# Altium PCB Copy of GameBoard_V1I1_083018.PcbDoc (part 2 of 21)
Units mil, origin at the board's own origin, x right, y up, seen from the top; angles counter-clockwise.
Board outline 7165.35 x 2763.78 mil, 12 copper layers (L1, L2, L3, L4, L5 (PWR), L6 (PWR), L7 (PWR), L8 (PWR), L9, L10, L11, L12), stack 61.575 mil thick; 1542 components, 1068 nets, 5447 pads, 3797 vias.
Unrouted connection lines stored in the file: 105.
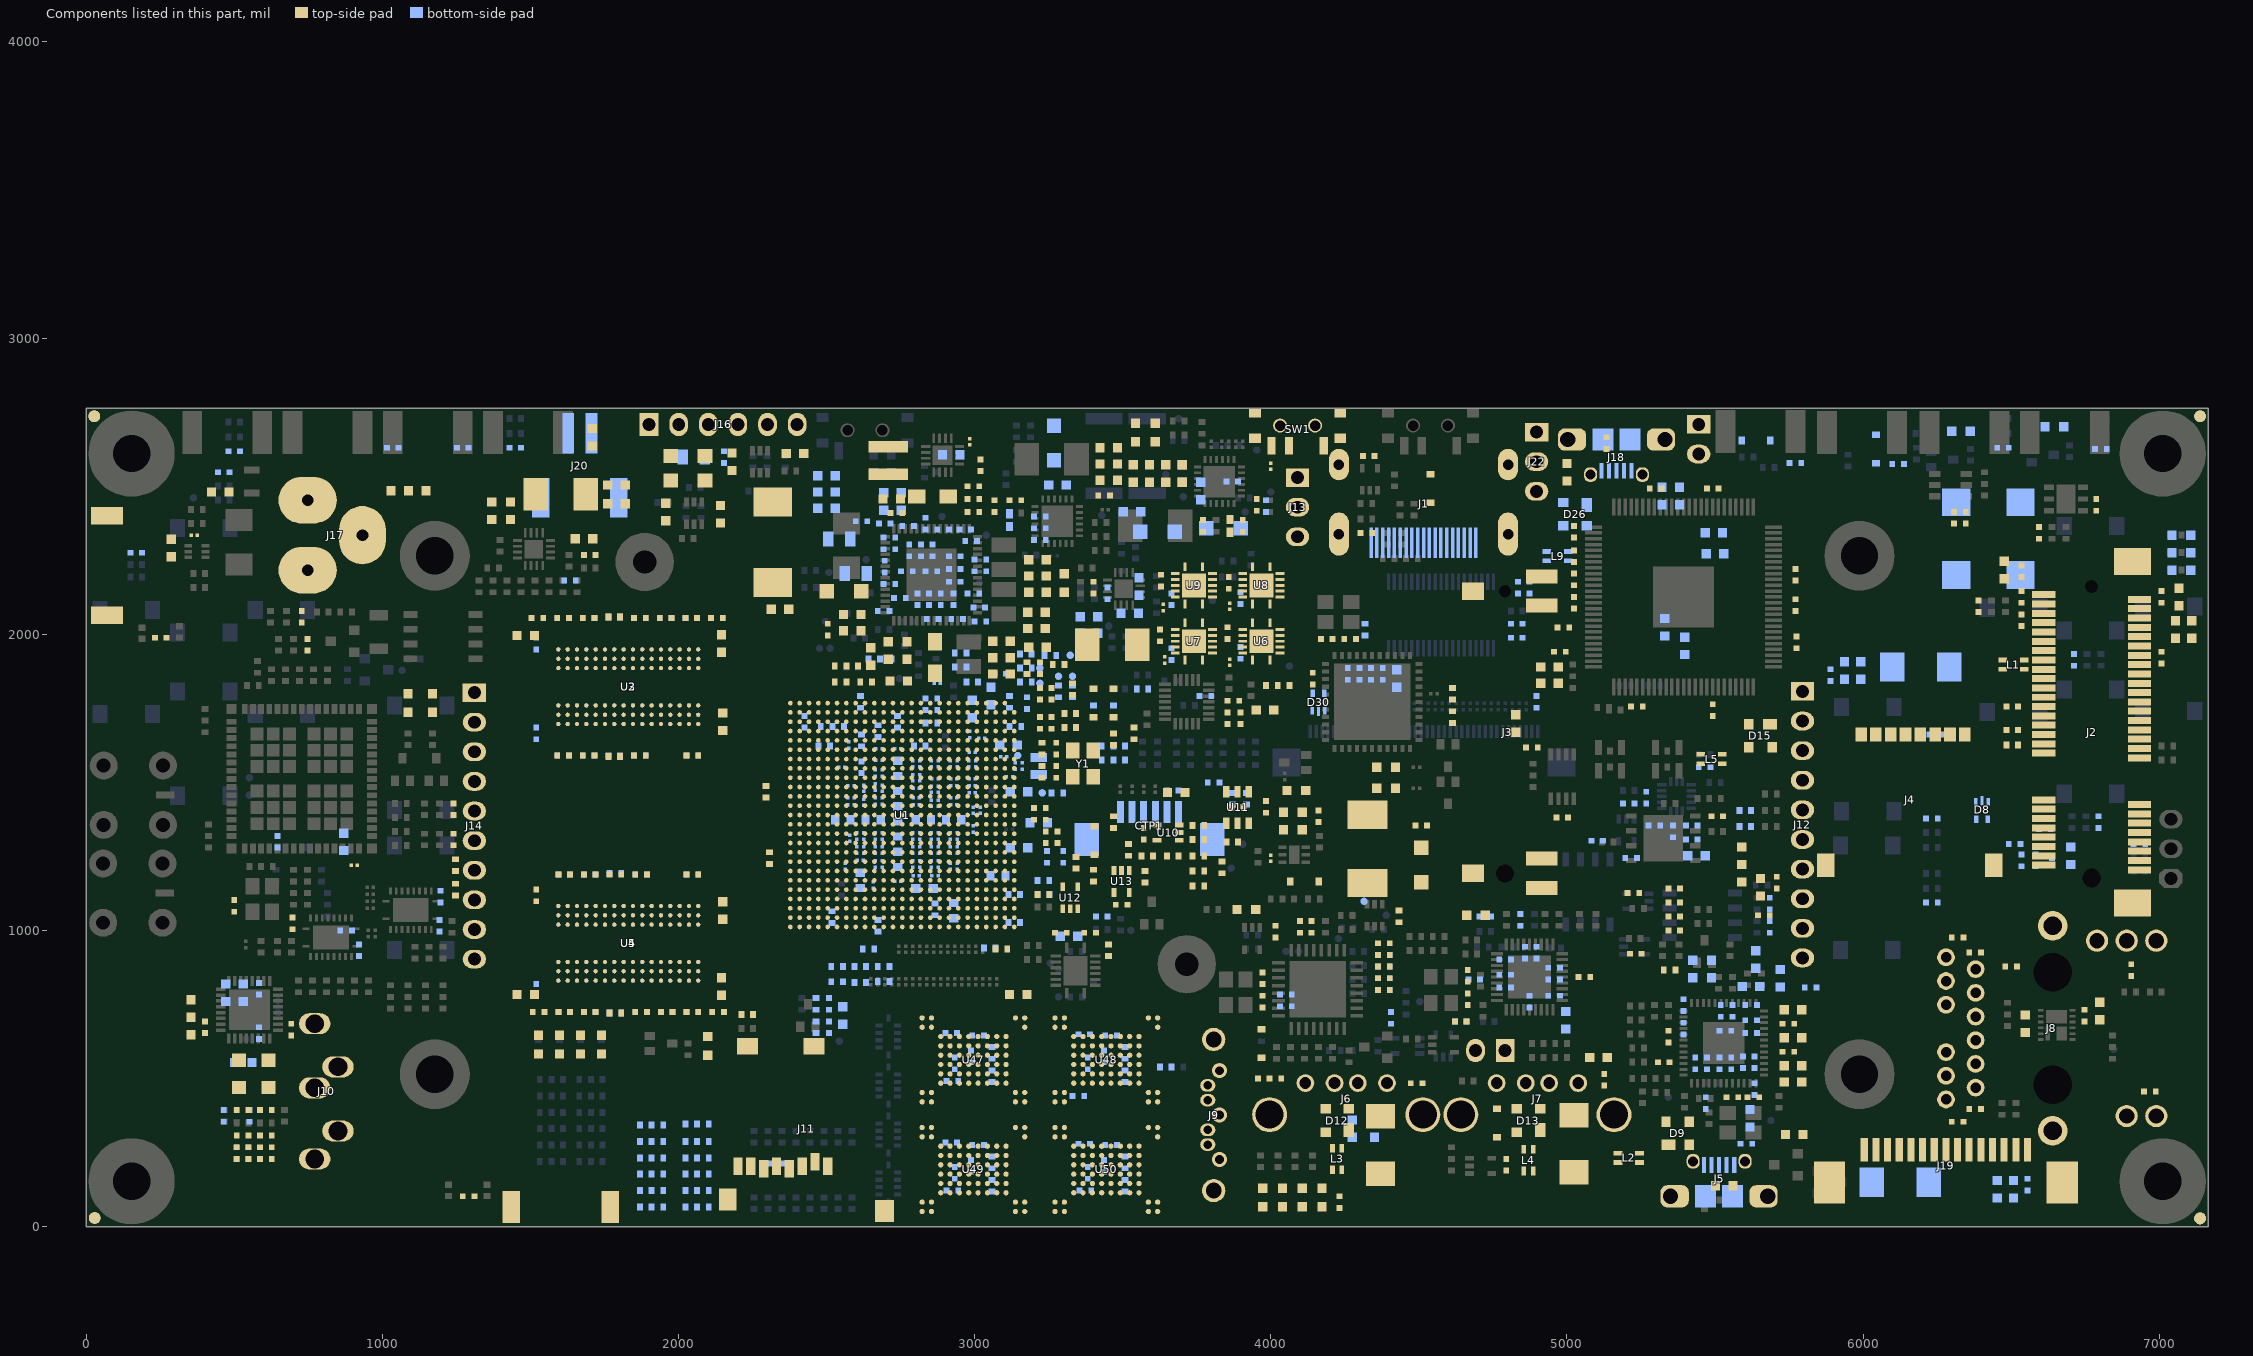
[diagram p12: the components of this part, seen from the top]

## Classes and differential pairs (continued)
component class "[11] - CPU - JTAG, CONTROL": C94 C95 C96 C97 C98 C99 C100 C101 C102 D1 D2 D3 LINK1 R66 R67 R68 R69 R70 R71 R72 R73 R74 R75 R76 R77 R78 R79 R80 R81 R82 R84 R85 R86 R87 R88 R89 R90 R91 R92 R93 R94 R95 R96 R97 R98 R99 R100 R101 R102 R103 R104 R105 R106 R107 R108 R109 R110 R111 R112 TP3 TP4 TP5 TP6 TP7 TP8 U1 U10 U11 U12 U13 Y1 Y2
component class "[10] - CPU - GPIO, PWM, LEDS, BUTTONS": R46 R47 R48 R49 R50 R51 TP2
component class "[08] - CPU - SPI, UART": R42 R44 R45
component class "[07] - CPU - CSI, FLASH": C499 C500 C501 C502 C503 C504 C505 C506 C507 C508 C509 C510 C511 C512 C513 C514 C515 C516 C517 C518 FB49 R497 R498 R499 R500 R501 R502 R503 R504 R505 U47 U48 U49 U50
component class "[09] - CPU - SD, AUDIO, I2C, CAN": R52 R53 R54 R55 R56 R57 R58 R59 R60 R61 R62 R63 R64 R65 R591 R592 R593 R594 R595 R596 R597 R598 R599 R600 R601 R602 R603 R604 R605 R606 R607 R608 R609 R610 R611 R612 R613 R614 R620 R621
component class "[05] - CPU - HDMI, LVDS": C72 C73 C74 C75 C76 C77 C78 C79 C80 C81 C82 C83 C84 C85 C86 R20 R21 R22 R23 R24 R25 R26 R27 R28 R29 R30 R31 R32 R33 R34 R35 R36 R587 SW1 U6 U7 U8 U9
component class "[04] - CPU - PCIE, USB": C59 C60 C61 C62 C63 C64 C65 C66 C67 C68 C69 C70 C71 FB1 R12 R13 R14 R15 R16 R17 R18 R19 R581 R590 R625 R626 R674 TP1
component class "[03] - CPU - DDR3, DDR3 MEM": C1 C2 C3 C4 C5 C6 C7 C8 C9 C10 C11 C12 C13 C14 C15 C16 C17 C18 C19 C20 C21 C22 C23 C24 C25 C26 C27 C28 C29 C30 C31 C32 C33 C34 C35 C36 C37 C38 C39 C40 C41 C42 C43 C44 C45 C46 C47 C48 C49 C50 C51 C52 C53 C54 C55 C56 C57 C58 R1 R2 R3 R4 R5 R6 R7 R8 R9 R10 R11 U2 U3 U4 U5
net class MCU_LCD_SE: ACTIVE QB0 QB1 QB2 QB3 QB4 QB5 QB6 QB7 QDE QE0 QE1 QE2 QE3 QE4 QE5 QE6 QE7 QHSYNC QODCK QR0 QR1 QR2 QR3 QR4 QR5 QR6 QR7 QVSYNC
net class BUTTONS: BUMP_L1 BUMP_L2 BUMP_R1 BUMP_R2 MOV_LD MOV_LL MOV_LR MOV_LU MOV_RD MOV_RL MOV_RR MOV_RU SEL_L1 SEL_L2 SEL_R1 SEL_R2 USER_BTN_1 USER_BTN_2 USER_BTN_3
net class USER_LEDS: USER_LED_1 USER_LED_2 USER_LED_3 USER_LED_4 USER_LED_5 USER_LED_6 USER_LED_7 USER_LED_8
net class USB1: USB1_HUB_N USB1_HUB_P USB1_N USB1_P USB_BOT_L_N USB_BOT_L_P USB_BOT_N USB_BOT_P USB_H1_OC USB_HDR_L_N USB_HDR_L_P USB_MCU_N USB_MCU_P USB_MCU_R_N USB_MCU_R_P USB_MPCIE_L_N USB_MPCIE_L_P USB_MPCIE_N USB_MPCIE_OC USB_MPCIE_P USB_TOP_L_N USB_TOP_L_P USB_TOP_N USB_TOP_P USBDN1_N USBDN1_OC USBDN1_P USBDN1_PWR_EN USBDN2_N USBDN2_OC USBDN2_P USBDN2_PWR_EN USBDN3_N USBDN3_OC USBDN3_P USBDN4_N USBDN4_P
net class USB0: USB0_CHD USB0_ID USB0_ID_BUFF_EN USB0_N USB0_OTG_L_N USB0_OTG_L_P USB0_OTG_N USB0_OTG_P USB0_P USB_OC
net class UART5: UART5_CTS UART5_RTS UART5_RXD UART5_TXD
net class UART3: UART3_CTS UART3_RTS UART3_RXD UART3_TXD
net class UART2: UART2_RXD UART2_TXD
net class UART1: UART1_CTS UART1_CTS_FTDI UART1_RTS UART1_RTS_FTDI UART1_RXD UART1_RXD_FTDI UART1_TXD UART1_TXD_FTDI
net class TS: TS_X+ TS_X- TS_Y+ TS_Y-
net class SIM: +MPCIE_SIM_PWR +MPCIE_SIM_VPP MPCIE_SIM_C4 MPCIE_SIM_C4_R MPCIE_SIM_C8 MPCIE_SIM_C8_R MPCIE_SIM_CLK MPCIE_SIM_DATA MPCIE_SIM_RST
net class SD2: SD2_ACT SD2_CD SD2_CLK SD2_CLK_R SD2_CMD SD2_CMD_R SD2_DATA0 SD2_DATA1 SD2_DATA2 SD2_DATA3 SD2_WP
net class SATA: SATA_C_RX_N SATA_C_RX_P SATA_C_TX_N SATA_C_TX_P SATA_REXT SATA_RX_N SATA_RX_P SATA_TX_N SATA_TX_P
net class RGMII_TXD: RGMII_R_TXCLK RGMII_TXCLK RGMII_TXD0 RGMII_TXD1 RGMII_TXD2 RGMII_TXD3 RGMII_TXEN
net class RGMII_RXD: RGMII_R_RXCLK RGMII_RXCLK RGMII_RXD0 RGMII_RXD1 RGMII_RXD2 RGMII_RXD3 RGMII_RXDV
net class RGMII_MISC: ENET_REF_CLK ENET_REF_CLK_R ETH_ISET RGMII_INT RGMII_INT_R RGMII_MDC RGMII_MDIO RGMII_R_MDC RGMII_R_MDIO
net class PWM: BL_PWM CHARGE_C\E\ CHARGE_INT VPP/MCLR
net class PCIE: PCIE_C_TX_N PCIE_C_TX_P PCIE_CLK_C_N PCIE_CLK_C_P PCIE_CLK_N PCIE_CLK_P PCIE_RSTn_R PCIE_RSTn_R_CPU PCIE_RX_N PCIE_RX_P PCIE_TX_N PCIE_TX_P PCIE_WAKE PCIE_WDISn
net class MIPI_CSI: CSI_CLK0_N CSI_CLK0_P CSI_D0_N CSI_D0_P CSI_D1_N CSI_D1_P CSI_GPIO0 CSI_GPIO1 CSI_REXT
net class LVDS: LVDS0_CLK_N LVDS0_CLK_P LVDS0_TX0_N LVDS0_TX0_P LVDS0_TX1_N LVDS0_TX1_P LVDS0_TX2_N LVDS0_TX2_P LVDS0_TX3_N LVDS0_TX3_P
net class LCD_SE: LCD_B0 LCD_B1 LCD_B2 LCD_B3 LCD_B4 LCD_B5 LCD_B6 LCD_B7 LCD_DE LCD_G0 LCD_G1 LCD_G2 LCD_G3 LCD_G4 LCD_G5 LCD_G6 LCD_G7 LCD_HSYNC LCD_PCLK LCD_R0 LCD_R1 LCD_R2 LCD_R3 LCD_R4 LCD_R5 LCD_R6 LCD_R7 LCD_VSYNC
net class LCD_R[7..0]: LCD_R0 LCD_R1 LCD_R2 LCD_R3 LCD_R4 LCD_R5 LCD_R6 LCD_R7
net class LCD_G[7..0]: LCD_G0 LCD_G1 LCD_G2 LCD_G3 LCD_G4 LCD_G5 LCD_G6 LCD_G7
net class LCD_B[7..0]: LCD_B0 LCD_B1 LCD_B2 LCD_B3 LCD_B4 LCD_B5 LCD_B6 LCD_B7
net class JTAG: JTAG_MOD JTAG_nTRST JTAG_TCK JTAG_TCK_R JTAG_TDI JTAG_TDI_R JTAG_TDO JTAG_TDO_R JTAG_TMS
net class I2C3: I2C3_SCL I2C3_SDA
net class I2C2: I2C2_SCL I2C2_SDA
net class I2C1: I2C1_SCL I2C1_SDA
net class HDMI: HDMI_CEC HDMI_CEC_CON HDMI_CEC_IN HDMI_DDC HDMI_HPD HDMI_HPD_BUFF HDMI_HPD_CON HDMI_HPD_R HDMI_SCL_CON HDMI_SCL_CON_R HDMI_SDA_CON HDMI_SDA_CON_R MX6_HDMI_CLK_N MX6_HDMI_CLK_P MX6_HDMI_D0_N MX6_HDMI_D0_P MX6_HDMI_D1_N MX6_HDMI_D1_P MX6_HDMI_D2_N MX6_HDMI_D2_P
net class GPIO: CPU_GPIO0 CPU_GPIO1 CPU_GPIO2
net class GPIO_MISC: COMP_INT GYRO_INT IR_RCV MCU_ISPn MCU_RSTINn MCU_SWDIO MCU_SWDIO_SEL TEMP_ALERT USER_LED
net class FLEXCAN: CAN_N CAN_P FLEXCAN1_RX FLEXCAN1_STBY FLEXCAN1_TX SPLIT_R
net class ENET: ENET_LED_LINK ENET_LED_RX LED1 LED2 TRD0_N TRD0_P TRD1_N TRD1_P TRD2_N TRD2_P TRD3_N TRD3_P
net class DRAM_SDCLK: DRAM_CLK0_N DRAM_CLK0_P DRAM_CLK1_N DRAM_CLK1_P
net class DRAM_OTHERS: ZQPAD
net class DRAM_D[63..0]: DRAM_D0 DRAM_D1 DRAM_D2 DRAM_D3 DRAM_D4 DRAM_D5 DRAM_D6 DRAM_D7 DRAM_D8 DRAM_D9 DRAM_D10 DRAM_D11 DRAM_D12 DRAM_D13 DRAM_D14 DRAM_D15 DRAM_D16 DRAM_D17 DRAM_D18 DRAM_D19 DRAM_D20 DRAM_D21 DRAM_D22 DRAM_D23 DRAM_D24 DRAM_D25 DRAM_D26 DRAM_D27 DRAM_D28 DRAM_D29 DRAM_D30 DRAM_D31 DRAM_D32 DRAM_D33 DRAM_D34 DRAM_D35 DRAM_D36 DRAM_D37 DRAM_D38 DRAM_D39 DRAM_D40 DRAM_D41 DRAM_D42 DRAM_D43 DRAM_D44 DRAM_D45 DRAM_D46 DRAM_D47 DRAM_D48 DRAM_D49 DRAM_D50 DRAM_D51 DRAM_D52 DRAM_D53 DRAM_D54 DRAM_D55 DRAM_D56 DRAM_D57 DRAM_D58 DRAM_D59 DRAM_D60 DRAM_D61 DRAM_D62 DRAM_D63
net class DRAM_BANK7: DRAM_D56 DRAM_D57 DRAM_D58 DRAM_D59 DRAM_D60 DRAM_D61 DRAM_D62 DRAM_D63 DRAM_DQM7 DRAM_DQS7_N DRAM_DQS7_P
net class DRAM_BANK6: DRAM_D48 DRAM_D49 DRAM_D50 DRAM_D51 DRAM_D52 DRAM_D53 DRAM_D54 DRAM_D55 DRAM_DQM6 DRAM_DQS6_N DRAM_DQS6_P
net class DRAM_BANK5: DRAM_D40 DRAM_D41 DRAM_D42 DRAM_D43 DRAM_D44 DRAM_D45 DRAM_D46 DRAM_D47 DRAM_DQM5 DRAM_DQS5_N DRAM_DQS5_P
net class DRAM_BANK4: DRAM_D32 DRAM_D33 DRAM_D34 DRAM_D35 DRAM_D36 DRAM_D37 DRAM_D38 DRAM_D39 DRAM_DQM4 DRAM_DQS4_N DRAM_DQS4_P
net class DRAM_BANK3: DRAM_D24 DRAM_D25 DRAM_D26 DRAM_D27 DRAM_D28 DRAM_D29 DRAM_D30 DRAM_D31 DRAM_DQM3 DRAM_DQS3_N DRAM_DQS3_P
net class DRAM_BANK2: DRAM_D16 DRAM_D17 DRAM_D18 DRAM_D19 DRAM_D20 DRAM_D21 DRAM_D22 DRAM_D23 DRAM_DQM2 DRAM_DQS2_N DRAM_DQS2_P
net class DRAM_BANK1: DRAM_D8 DRAM_D9 DRAM_D10 DRAM_D11 DRAM_D12 DRAM_D13 DRAM_D14 DRAM_D15 DRAM_DQM1 DRAM_DQS1_N DRAM_DQS1_P
net class DRAM_BANK0: DRAM_D0 DRAM_D1 DRAM_D2 DRAM_D3 DRAM_D4 DRAM_D5 DRAM_D6 DRAM_D7 DRAM_DQM0 DRAM_DQS0_N DRAM_DQS0_P
net class DRAM_ADDR_CTRL: DRAM_A0 DRAM_A1 DRAM_A2 DRAM_A3 DRAM_A4 DRAM_A5 DRAM_A6 DRAM_A7 DRAM_A8 DRAM_A9 DRAM_A10 DRAM_A11 DRAM_A12 DRAM_A13 DRAM_A14 DRAM_A15 DRAM_CAS_B DRAM_CS0_B DRAM_RAS_B DRAM_RESET_B DRAM_SDBA0 DRAM_SDBA1 DRAM_SDBA2 DRAM_SDCKE0 DRAM_SDODT0 DRAM_WE_B
net class DRAM_A[15..0]: DRAM_A0 DRAM_A1 DRAM_A2 DRAM_A3 DRAM_A4 DRAM_A5 DRAM_A6 DRAM_A7 DRAM_A8 DRAM_A9 DRAM_A10 DRAM_A11 DRAM_A12 DRAM_A13 DRAM_A14 DRAM_A15
net class DIFF100: CAN_N CAN_P CSI_CLK0_N CSI_CLK0_P CSI_CLK0_R_N CSI_CLK0_R_P CSI_D0_N CSI_D0_P CSI_D0_R_N CSI_D0_R_P CSI_D1_N CSI_D1_P CSI_D1_R_N CSI_D1_R_P DRAM_CLK0_N DRAM_CLK0_P DRAM_CLK1_N DRAM_CLK1_P DRAM_DQS0_N DRAM_DQS0_P DRAM_DQS1_N DRAM_DQS1_P DRAM_DQS2_N DRAM_DQS2_P DRAM_DQS3_N DRAM_DQS3_P DRAM_DQS4_N DRAM_DQS4_P DRAM_DQS5_N DRAM_DQS5_P DRAM_DQS6_N DRAM_DQS6_P DRAM_DQS7_N DRAM_DQS7_P HDMI_CLK_N HDMI_CLK_P HDMI_D0_N HDMI_D0_P HDMI_D1_N HDMI_D1_P HDMI_D2_N HDMI_D2_P LCD_HDMI_CLK_N LCD_HDMI_CLK_P LCD_HDMI_D0_N LCD_HDMI_D0_P LCD_HDMI_D1_N LCD_HDMI_D1_P LCD_HDMI_D2_N LCD_HDMI_D2_P LVDS0_CLK_N LVDS0_CLK_P LVDS0_CLK_R_N LVDS0_CLK_R_P LVDS0_TX0_N LVDS0_TX0_P LVDS0_TX1_N LVDS0_TX1_P LVDS0_TX2_N LVDS0_TX2_P LVDS0_TX3_N LVDS0_TX3_P MX6_HDMI_CLK_N MX6_HDMI_CLK_P MX6_HDMI_D0_N MX6_HDMI_D0_P MX6_HDMI_D1_N MX6_HDMI_D1_P MX6_HDMI_D2_N MX6_HDMI_D2_P PCIE_CLK_C_N PCIE_CLK_C_P PCIE_CLK_N PCIE_CLK_P SATA_C_RX_N SATA_C_RX_P SATA_C_TX_N SATA_C_TX_P SATA_RX_N SATA_RX_P SATA_TX_N SATA_TX_P TRD0_N TRD0_P TRD1_N TRD1_P TRD2_N TRD2_P TRD3_N TRD3_P
net class DIFF90: PCIE_C_TX_N PCIE_C_TX_P PCIE_RX_N PCIE_RX_P PCIE_TX_N PCIE_TX_P USB0_N USB0_OTG_L_N USB0_OTG_L_P USB0_OTG_N USB0_OTG_P USB0_P USB1_HUB_N USB1_HUB_P USB1_N USB1_P USB_BOT_L_N USB_BOT_L_P USB_BOT_N USB_BOT_P USB_HDR_L_N USB_HDR_L_P USB_HDR_N USB_HDR_P USB_LCDCTP_N USB_LCDCTP_P USB_MCU_N USB_MCU_P USB_MCU_R_N USB_MCU_R_P USB_MPCIE_L_N USB_MPCIE_L_P USB_MPCIE_N USB_MPCIE_P USB_TOP_L_N USB_TOP_L_P USB_TOP_N USB_TOP_P USBCh_OTG_L_N USBCh_OTG_L_P USBCh_OTG_N USBCh_OTG_P USBDN1_N USBDN1_P USBDN2_N USBDN2_P USBDN3_N USBDN3_P USBDN4_N USBDN4_P
net class CSPI3: CSPI3_CLK CSPI3_CLK_R CSPI3_CS0 CSPI3_CS2 CSPI3_MCU_CLK CSPI3_MCU_CS0 CSPI3_MCU_ENn CSPI3_MCU_MISO CSPI3_MCU_MOSI CSPI3_MISO CSPI3_MOSI
net class CSPI2: CSPI2_RXD CSPI2_TXC CSPI2_TXD CSPI2_TXFS
net class CSPI1: CSPI1_CLK CSPI1_CLK_R CSPI1_CS0 CSPI1_CS1 CSPI1_MISO CSPI1_MOSI
net class "CSI / LVDS": CSI_CLK0_R_N CSI_CLK0_R_P CSI_D0_R_N CSI_D0_R_P CSI_D1_R_N CSI_D1_R_P I2C2_CSI_SCL I2C2_CSI_SDA LVDS0_CLK_R_N LVDS0_CLK_R_P
net class AUD3: AUD3_CLK AUD3_CLK_R AUD3_RXD AUD3_TXC AUD3_TXC_R AUD3_TXD AUD3_TXFS
net class USBCh: USBCh_OTG_L_N USBCh_OTG_L_P
differential pair USBDN4: +USBDN4_P -USBDN4_N
differential pair USBDN3: +USBDN3_P -USBDN3_N
differential pair USBDN2: +USBDN2_P -USBDN2_N
differential pair USBDN1: +USBDN1_P -USBDN1_N
differential pair USB_TOP: +USB_TOP_P -USB_TOP_N
differential pair USB_TOP_L: +USB_TOP_L_P -USB_TOP_L_N
differential pair USB_MPCIE: +USB_MPCIE_P -USB_MPCIE_N
differential pair USB_MPCIE_L: +USB_MPCIE_L_P -USB_MPCIE_L_N
differential pair USB_MCU: +USB_MCU_P -USB_MCU_N
differential pair USB_MCU_R: +USB_MCU_R_P -USB_MCU_R_N
differential pair USB_LCDCTP: +USB_LCDCTP_P -USB_LCDCTP_N
differential pair USB_HDR: +USB_HDR_P -USB_HDR_N
differential pair USB_HDR_L: +USB_HDR_L_P -USB_HDR_L_N
differential pair USB_BOT: +USB_BOT_P -USB_BOT_N
differential pair USB_BOT_L: +USB_BOT_L_P -USB_BOT_L_N
differential pair USB1: +USB1_P -USB1_N
differential pair USB1_HUB: +USB1_HUB_P -USB1_HUB_N
differential pair USB0: +USB0_P -USB0_N
differential pair USB0_OTG: +USB0_OTG_P -USB0_OTG_N
differential pair USB0_OTG_L: +USB0_OTG_L_P -USB0_OTG_L_N
differential pair TRD3: +TRD3_P -TRD3_N
differential pair TRD2: +TRD2_P -TRD2_N
differential pair TRD1: +TRD1_P -TRD1_N
differential pair TRD0: +TRD0_P -TRD0_N
differential pair SATA_TX: +SATA_TX_P -SATA_TX_N
differential pair SATA_RX: +SATA_RX_P -SATA_RX_N
differential pair SATA_C_TX: +SATA_C_TX_P -SATA_C_TX_N
differential pair SATA_C_RX: +SATA_C_RX_P -SATA_C_RX_N
differential pair PCIE_TX: +PCIE_TX_P -PCIE_TX_N
differential pair PCIE_RX: +PCIE_RX_P -PCIE_RX_N
differential pair PCIE_CLK: +PCIE_CLK_P -PCIE_CLK_N
differential pair PCIE_CLK_C: +PCIE_CLK_C_P -PCIE_CLK_C_N
differential pair PCIE_C_TX: +PCIE_C_TX_P -PCIE_C_TX_N
differential pair MX6_HDMI_D2: +MX6_HDMI_D2_P -MX6_HDMI_D2_N
differential pair MX6_HDMI_D1: +MX6_HDMI_D1_P -MX6_HDMI_D1_N
differential pair MX6_HDMI_D0: +MX6_HDMI_D0_P -MX6_HDMI_D0_N
differential pair MX6_HDMI_CLK: +MX6_HDMI_CLK_P -MX6_HDMI_CLK_N
differential pair LVDS0_TX3: +LVDS0_TX3_P -LVDS0_TX3_N
differential pair LVDS0_TX2: +LVDS0_TX2_P -LVDS0_TX2_N
differential pair LVDS0_TX1: +LVDS0_TX1_P -LVDS0_TX1_N
differential pair LVDS0_TX0: +LVDS0_TX0_P -LVDS0_TX0_N
differential pair LVDS0_CLK: +LVDS0_CLK_P -LVDS0_CLK_N
differential pair LVDS0_CLK_R: +LVDS0_CLK_R_P -LVDS0_CLK_R_N
differential pair LCD_HDMI_D2: +LCD_HDMI_D2_P -LCD_HDMI_D2_N
differential pair LCD_HDMI_D1: +LCD_HDMI_D1_P -LCD_HDMI_D1_N
differential pair LCD_HDMI_D0: +LCD_HDMI_D0_P -LCD_HDMI_D0_N
differential pair LCD_HDMI_CLK: +LCD_HDMI_CLK_P -LCD_HDMI_CLK_N
differential pair HDMI_D2: +HDMI_D2_P -HDMI_D2_N
differential pair HDMI_D1: +HDMI_D1_P -HDMI_D1_N
differential pair HDMI_D0: +HDMI_D0_P -HDMI_D0_N
differential pair HDMI_CLK: +HDMI_CLK_P -HDMI_CLK_N
differential pair DRAM_DQS7: +DRAM_DQS7_P -DRAM_DQS7_N
differential pair DRAM_DQS6: +DRAM_DQS6_P -DRAM_DQS6_N
differential pair DRAM_DQS5: +DRAM_DQS5_P -DRAM_DQS5_N
differential pair DRAM_DQS4: +DRAM_DQS4_P -DRAM_DQS4_N
differential pair DRAM_DQS3: +DRAM_DQS3_P -DRAM_DQS3_N
differential pair DRAM_DQS2: +DRAM_DQS2_P -DRAM_DQS2_N
differential pair DRAM_DQS1: +DRAM_DQS1_P -DRAM_DQS1_N
differential pair DRAM_DQS0: +DRAM_DQS0_P -DRAM_DQS0_N
differential pair DRAM_CLK1: +DRAM_CLK1_P -DRAM_CLK1_N
differential pair DRAM_CLK0: +DRAM_CLK0_P -DRAM_CLK0_N
differential pair CSI_D1: +CSI_D1_P -CSI_D1_N
differential pair CSI_D1_R: +CSI_D1_R_P -CSI_D1_R_N
differential pair CSI_D0: +CSI_D0_P -CSI_D0_N
differential pair CSI_D0_R: +CSI_D0_R_P -CSI_D0_R_N
differential pair CSI_CLK0: +CSI_CLK0_P -CSI_CLK0_N
differential pair CSI_CLK0_R: +CSI_CLK0_R_P -CSI_CLK0_R_N
differential pair CAN: +CAN_P -CAN_N
differential pair USBCh_OTG_L: +USBCh_OTG_L_P -USBCh_OTG_L_N
differential pair USBCh_OTG: +USBCh_OTG_P -USBCh_OTG_N

## Components (designator, comment, footprint, x,y, rotation, side; value= is the part's Value field where it differs from the comment)
A1 "W3006" W3006 1602.36,66.93 r0 top
A2 "W3006" W3006 70.87,2232.28 r90 top
BAT1 "PRT-13855" "LI-ION BAT" 7763.78,1090.55 r0 bottom
C1 "220n" C0402 1870.08,1590.55 r0 top value=220nF
C2 "220n" C0402 1870.08,2055.12 r0 top value=220nF
C3 "220n" C0402 1870.08,2055.12 r0 bottom value=220nF
C4 "220n" C0402 1870.08,1590.55 r0 bottom value=220nF
C5 "100n" C0402 2425.2,1704.72 r270 bottom value=100nF
C6 "220n" C0402 1874.02,724.41 r0 top value=220nF
C7 "220n" C0402 1874.02,1188.98 r0 top value=220nF
C8 "220n" C0402 1874.02,724.41 r0 bottom value=220nF
C9 "220n" C0402 1874.02,1188.98 r0 bottom value=220nF
C10 "100n" C0402 2507.87,673.23 r90 bottom value=100nF
C11 "10u" C0603 2555.12,712.6 r90 bottom value=10µF
C12 "22u" C0603 1484.25,1996.06 r180 top
C13 "22u" C0603 2145.67,1968.5 r90 top
C14 "22u" C0603 2149.61,1704.72 r90 top
C15 "22u" C0603 1484.25,783.46 r180 top
C16 "22u" C0603 2145.67,811.02 r270 top
C17 "22u" C0603 2149.61,1066.93 r270 top
C18 "100n" C0402 2507.87,751.97 r90 bottom value=100nF
C19 "220n" C0402 1700.79,1188.98 r180 top value=220nF
C20 "220n" C0402 1787.4,1188.98 r0 top value=220nF
C21 "220n" C0402 2047.24,1188.98 r0 top value=220nF
C22 "220n" C0402 1527.56,724.41 r180 top value=220nF
C23 "220n" C0402 2133.86,724.41 r0 top value=220nF
C24 "220n" C0402 2047.24,724.41 r0 top value=220nF
C25 "220n" C0402 1960.63,724.41 r0 top value=220nF
C26 "220n" C0402 1614.17,1188.98 r180 top value=220nF
C27 "220n" C0402 1614.17,724.41 r180 top value=220nF
C28 "220n" C0402 1700.79,724.41 r180 top value=220nF
C29 "220n" C0402 2047.24,1590.55 r0 top value=220nF
C30 "220n" C0402 1610.24,1590.55 r180 top value=220nF
C31 "220n" C0402 1696.85,1590.55 r180 top value=220nF
C32 "220n" C0402 1523.62,2055.12 r180 top value=220nF
C33 "220n" C0402 1610.24,2055.12 r180 top value=220nF
C34 "220n" C0402 1696.85,2055.12 r180 top value=220nF
C35 "220n" C0402 1519.69,1968.5 r90 bottom value=220nF
C36 "220n" C0402 2129.92,2055.12 r0 top value=220nF
C37 "220n" C0402 2043.31,2055.12 r0 top value=220nF
C38 "220n" C0402 1956.69,2055.12 r0 top value=220nF
C39 "220n" C0402 1519.69,1118.11 r90 top value=220nF
C40 "220n" C0402 1519.69,799.21 r270 bottom value=220nF
C41 "220n" C0402 1614.17,1188.98 r180 bottom value=220nF
C42 "220n" C0402 1700.79,1188.98 r180 bottom value=220nF
C43 "220n" C0402 2047.24,1188.98 r0 bottom value=220nF
C44 "220n" C0402 2133.86,724.41 r0 bottom value=220nF
C45 "220n" C0402 2047.24,724.41 r0 bottom value=220nF
C46 "220n" C0402 1960.63,724.41 r0 bottom value=220nF
C47 "220n" C0402 1700.79,724.41 r180 bottom value=220nF
C48 "220n" C0402 1614.17,724.41 r180 bottom value=220nF
C49 "220n" C0402 1519.69,1665.35 r270 bottom value=220nF
C50 "220n" C0402 1610.24,2055.12 r180 bottom value=220nF
C51 "220n" C0402 1696.85,2055.12 r180 bottom value=220nF
C52 "220n" C0402 1956.69,2055.12 r0 bottom value=220nF
C53 "220n" C0402 2043.31,2055.12 r0 bottom value=220nF
C54 "220n" C0402 2129.92,2055.12 r0 bottom value=220nF
C55 "220n" C0402 1783.46,1590.55 r0 bottom value=220nF
C56 "220n" C0402 2047.24,1590.55 r0 bottom value=220nF
C57 "220n" C0402 1696.85,1590.55 r180 bottom value=220nF
C58 "220n" C0402 1610.24,1590.55 r180 bottom value=220nF
C59 "220n" C0201 2940.95,1562.99 r270 bottom
C60 "4u7" C0402 3086.61,1866.93 r0 bottom
C61 "220n" C0201 2980.32,1562.99 r270 bottom
C62 "100n" C0402 3240.16,1818.9 r0 top value=100nF
C63 "4u7" C0402 3177.17,1767.72 r90 bottom
C64 "220n" C0201 2992.13,1602.36 r0 bottom
C65 "100n" C0402 3240.16,1779.53 r0 top value=100nF
C66 "100n" C0402 3240.16,1681.1 r0 top value=100nF
C67 "100n" C0402 3240.16,1720.47 r0 top value=100nF
C68 "10u" C0603 3149.61,1468.5 r0 bottom value=10µF
C69 "220n" C0201 3003.94,1562.99 r90 bottom
C70 "220n" C0201 2992.13,1511.81 r180 bottom
C71 "220n" C0201 2992.13,1488.19 r180 bottom
C72 "4u7" C0402 2854.33,1783.46 r180 bottom
C73 "220n" C0201 2814.96,1562.99 r270 bottom
C74 "100n" C0402 3220.47,1885.83 r90 top value=100nF
C75 "4u7" C0402 2854.33,1744.09 r180 bottom
C76 "220n" C0201 2791.34,1562.99 r270 bottom
C77 "10n" C0402 3897.64,1937.01 r270 bottom value=10nF
C78 "100n" C0402 3854.33,2003.94 r90 top value=100nF
C79 "10n" C0402 3665.35,1933.07 r270 bottom value=10nF
C80 "100n" C0402 3625.98,1996.06 r90 top value=100nF
C81 "10n" C0402 3897.64,2122.05 r270 bottom value=10nF
C82 "100n" C0402 3858.27,2173.23 r90 top value=100nF
C83 "4u7" C0402 2618.11,1551.18 r270 bottom
C84 "220n" C0201 2574.8,1625.98 r90 bottom
C85 "10n" C0402 3665.35,2118.11 r270 bottom value=10nF
C86 "100n" C0402 3629.92,2181.1 r90 top value=100nF
C87 "220n" C0201 2996.06,1405.51 r270 bottom
C88 "10n" C0402 3259.84,1295.28 r0 top value=10nF
C89 "10n" C0402 3259.84,1334.65 r0 top value=10nF
C90 "10n" C0402 3220.47,1374.02 r0 top value=10nF
C91 "10n" C0402 3220.47,1413.39 r0 top value=10nF
C92 "4u7" C0402 3244.09,1248.03 r90 bottom
C93 "220n" C0201 2929.13,1425.2 r180 bottom
C94 "18p" C0201 3137.8,1555.12 r90 bottom
C95 "18p" C0201 3118.11,1519.69 r180 bottom
C96 "18p" C0402 3275.59,1535.43 r270 top value=18pF
C97 "18p" C0402 3275.59,1614.17 r90 top value=18pF
C98 "100n" C0402 3570.87,1326.77 r90 top value=100nF
C99 "100n" C0402 3807.09,1500 r180 bottom value=100nF
C100 "100n" C0402 3299.21,1248.03 r90 bottom value=100nF
C101 "100n" C0402 3984.25,1417.32 r270 top value=100nF
C102 "100n" C0402 3496.06,1086.61 r180 top value=100nF
C103 "220n" C0201 2688.98,1318.9 r270 bottom
C104 "220n" C0201 2814.96,1318.9 r270 bottom
C105 "220n" C0201 2877.95,1318.9 r270 bottom
C106 "220n" C0201 2791.34,1318.9 r270 bottom
C107 "220n" C0201 2854.33,1318.9 r270 bottom
C108 "220n" C0201 2917.32,1318.9 r270 bottom
C109 "22u" C0603_SMALL 2929.13,1374.02 r0 bottom locked
C110 "220n" C0201 2854.33,1429.13 r90 bottom
C111 "220n" C0201 2877.95,1429.13 r90 bottom
C112 "220n" C0201 2688.98,1437.01 r90 bottom
C113 "220n" C0201 2803.15,1425.2 r0 bottom
C114 "22u" C0603_SMALL 2826.77,1374.02 r180 bottom
C115 "220n" C0201 2791.34,1515.75 r270 bottom
C116 "220n" C0201 2814.96,1515.75 r270 bottom
C117 "220n" C0201 2688.98,1531.5 r90 bottom
C118 "220n" C0201 2665.35,1531.5 r90 bottom
C119 "22u" C0603_SMALL 2740.16,1547.24 r90 bottom
C120 "220n" C0201 2854.33,1476.38 r90 bottom
C121 "220n" C0201 2877.95,1476.38 r90 bottom
C122 "220n" C0201 2803.15,1480.32 r0 bottom
C123 "220n" C0201 2688.98,1480.31 r90 bottom
C124 "22u" C0603_SMALL 2740.16,1444.88 r270 bottom
C125 "220n" C0201 2625.98,1318.9 r270 bottom
C126 "220n" C0201 2625.98,1433.07 r90 bottom
C127 "220n" C0201 2625.98,1480.32 r270 bottom
C128 "220n" C0201 2665.35,1318.9 r270 bottom
C129 "220n" C0201 2665.35,1437.01 r90 bottom
C130 "220n" C0201 2665.35,1484.25 r270 bottom
C131 "22u" C0603_SMALL 2657.48,1374.02 r0 bottom
C132 "220n" C0201 2854.33,1271.65 r90 bottom
C133 "220n" C0201 2814.96,1271.65 r90 bottom
C134 "220n" C0201 2688.98,1271.65 r270 bottom
C135 "220n" C0201 2625.98,1271.65 r270 bottom
C136 "220n" C0201 2917.32,1271.65 r90 bottom
C137 "220n" C0201 2877.95,1271.65 r90 bottom
C138 "220n" C0201 2791.34,1271.65 r90 bottom
C139 "220n" C0201 2665.35,1271.65 r270 bottom
C140 "22u" C0603_SMALL 2740.16,1342.52 r90 bottom
C141 "22u" C0603_SMALL 2929.13,1066.93 r270 bottom
C142 "22u" C0603_SMALL 3078.74,1185.04 r0 bottom
C143 "220n" C0201 2791.34,1224.41 r270 bottom
C144 "220n" C0201 2814.96,1224.41 r270 bottom
C145 "220n" C0201 2854.33,1224.41 r270 bottom
C146 "220n" C0201 2877.95,1224.41 r270 bottom
C147 "220n" C0201 2917.32,1216.54 r270 bottom